# KiCad board hakea-epaper-onboard.kicad_pcb
title: Hakea Wireless keyboard; date: 2022-01-09; rev: 1.0; company: TKW
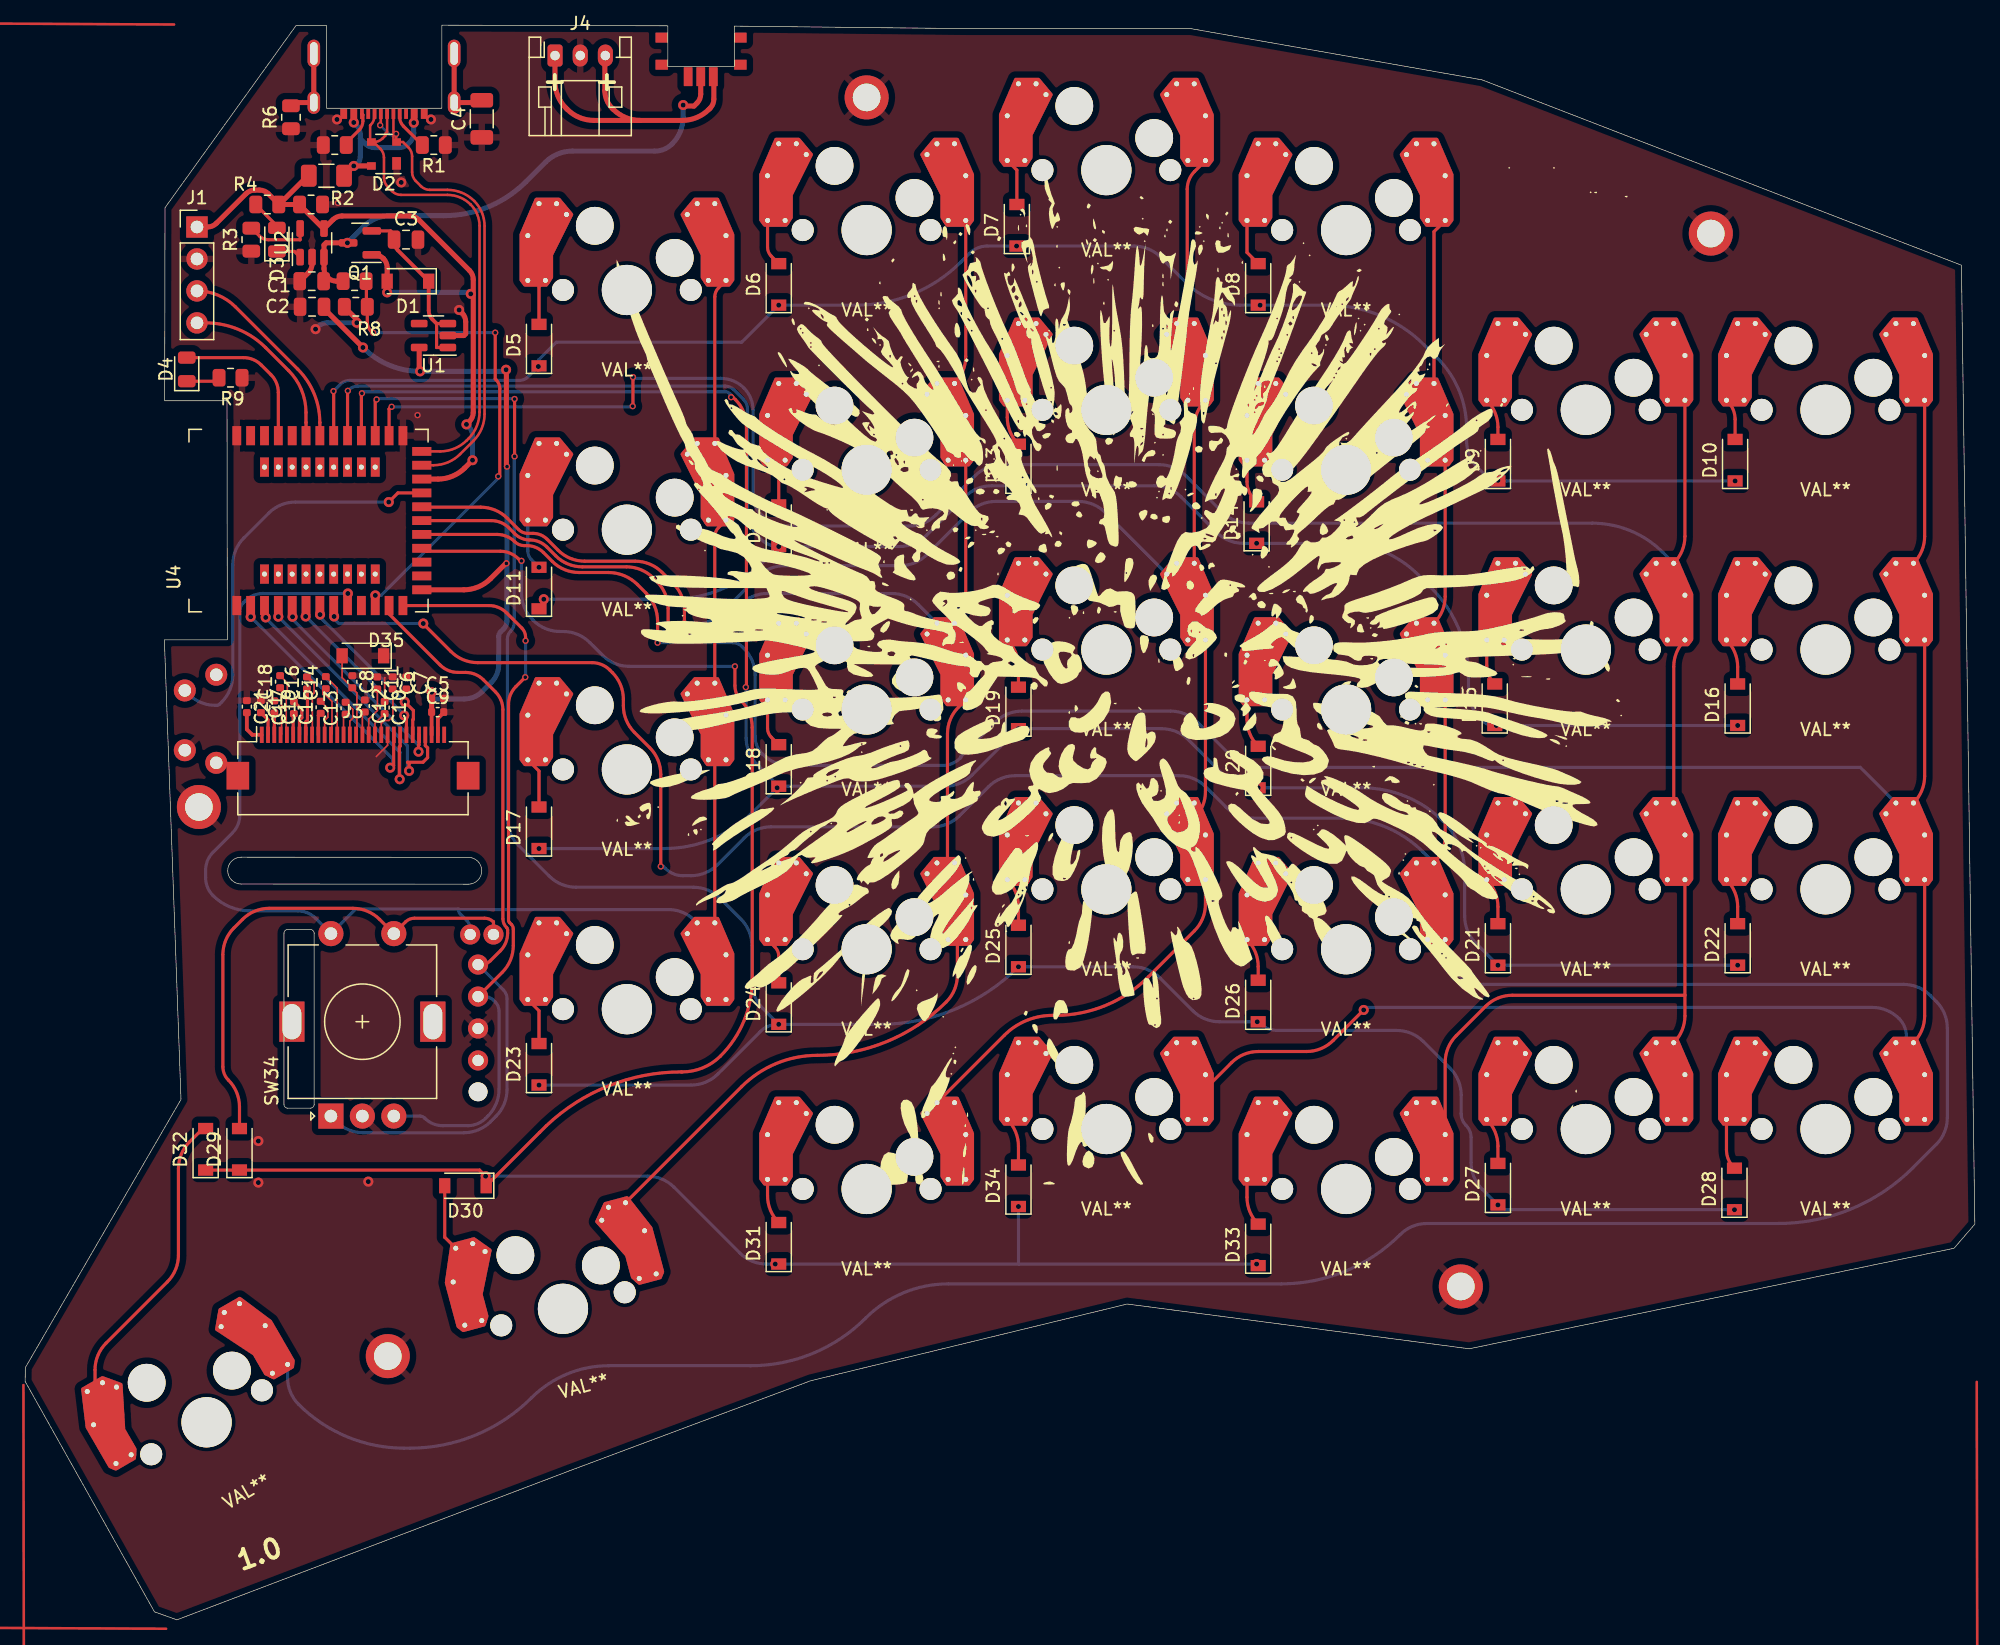
[diagram p0: board, top side]
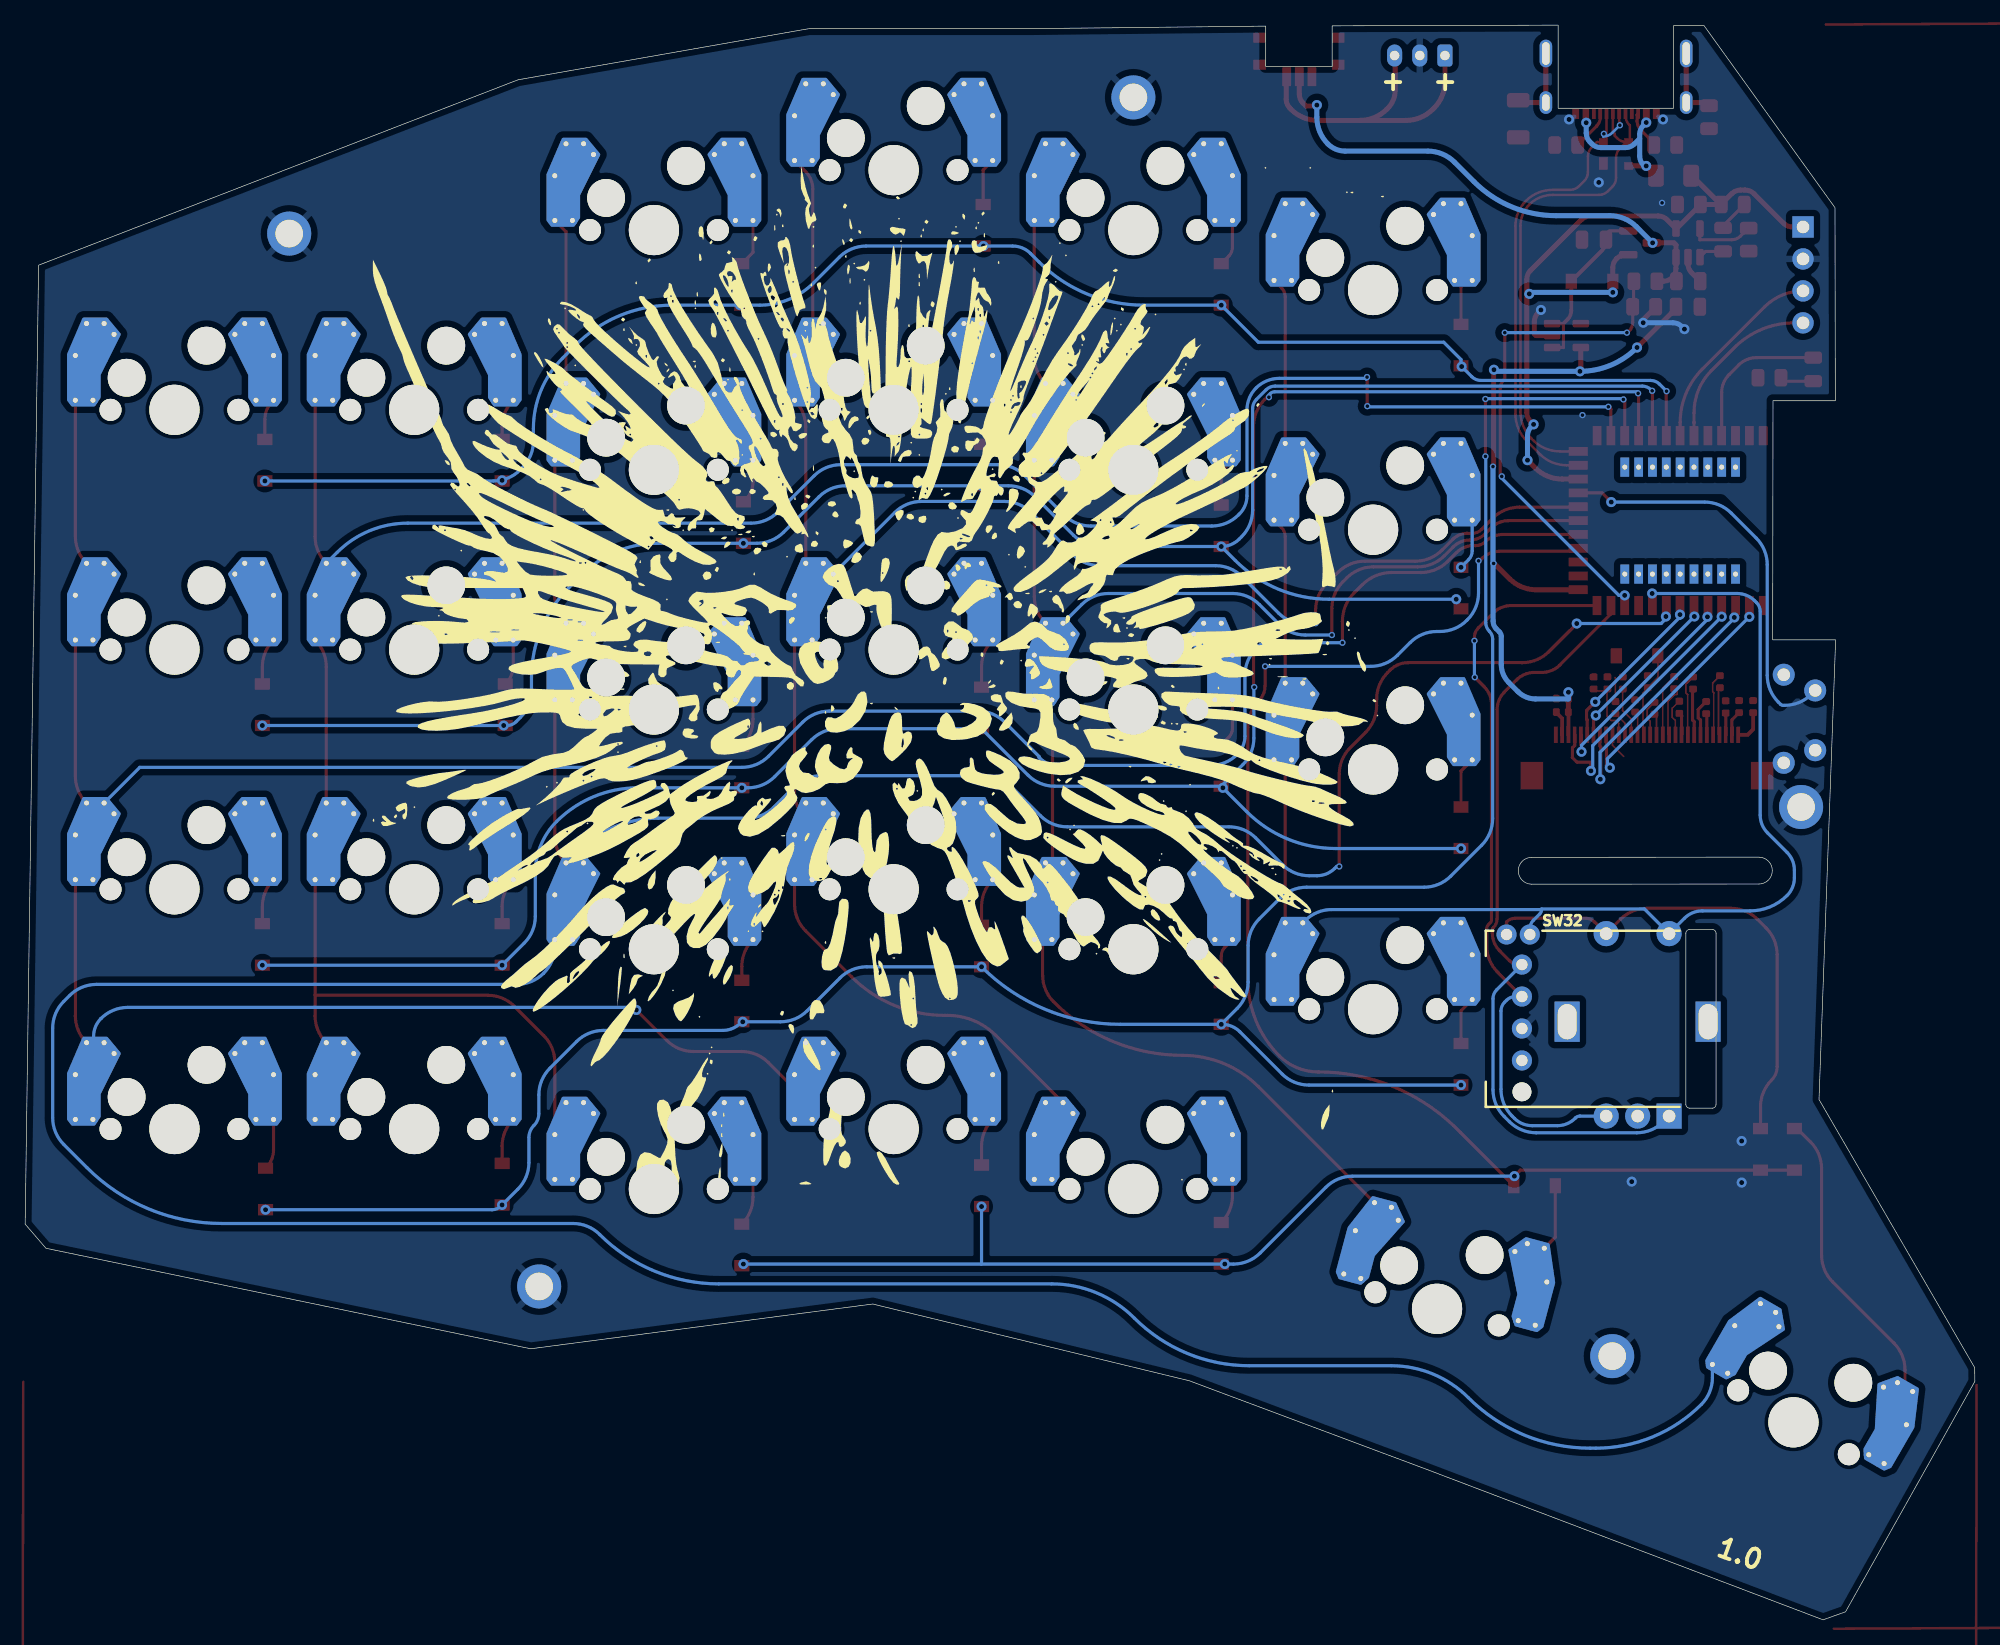
[diagram p1: board, bottom side, seen from below]

Outline 154.93 x 126.72 mm; copper layers: Top, Bottom. Coordinates in mm from the lower left corner of the outline.
Outline path: 56.35,123.44 56.35,126.64 75.12,126.44 92.65,126.44 115.76,122.38 153.86,107.65 154.93,31.45 153.28,29.53 114.74,21.54 87.57,25.1 62.42,19 43.37,11.89 12.05,0 10.27,0.63 0,18.94 0.01,20.04 12.38,41.35 11.06,77.88 16.06,77.88 16.04,96.88 11.09,96.88 11.11,112.22 21.53,126.7 23.94,126.7 23.94,120.12 33.11,120.12 33.11,126.72 51.07,126.67 51.07,123.44 closed ; 17.16,58.47 arc(16.09,59.54) 17.16,60.6 35.21,60.59 arc(36.28,59.52) 35.21,58.46 17.16,58.47
Stack: Top 0.035mm / dielectric 1.51mm FR4 er 4.5 / Bottom 0.035mm

## Placement (name value [footprint] x y rotation side)
C1  2.2uF  [C_0402_1005Metric]  18.73 72.57 270 top
C1#2  4.7uF  [C_0805_2012Metric]  22.77 106.38 180 top
C2  1uF  [C_0805_2012Metric]  22.8 104.34 180 top
C3  1uF  [C_0805_2012Metric]  30.26 109.68 0 top
C4  4.7n  [C_1206_3216Metric]  36.28 119.28 90 top
C5  .1uF  [C_0402_1005Metric]  32.78 73.2 0 top
C6  .1uF  [C_0402_1005Metric]  29.2 74.45 270 top
C7  1uF  [C_0402_1005Metric]  30.29 74.45 270 top
C8  1uF  [C_0402_1005Metric]  26 74.55 270 top
C9  4.7uF  [C_0402_1005Metric]  32.78 72.14 0 top
C10  1uF  [C_0402_1005Metric]  28.56 72.49 270 top
C11  1uF  [C_0402_1005Metric]  27.98 74.45 270 top
C12  1uF  [C_0402_1005Metric]  26.99 72.62 270 top
C13  1uF  [C_0402_1005Metric]  25.46 72.44 90 top
C14  1uF  [C_0402_1005Metric]  23.89 74.47 90 top
C15  1uF  [C_0402_1005Metric]  23.48 72.52 90 top
C16  1uF  [C_0402_1005Metric]  22.39 74.45 90 top
C17  1uF  [C_0402_1005Metric]  21.35 72.49 90 top
C18  2.2uF  [C_0402_1005Metric]  20.26 74.55 90 top
C19  1uF  [C_0402_1005Metric]  19.8 72.54 270 top
C21  1uF  [C_0402_1005Metric]  17.61 72.57 270 top
D1  1N5819  [D_SOD-123]  30.42 106.38 180 top
D2  SR05  [SOT-143]  28.51 116.48 180 top
D3  POWERLED  [D_0805_2012Metric]  20 109.68 90 top
D4  LED_Small  [D_0805_2012Metric]  12.84 99.36 90 top
D5  D_Small  [D_SOD-123]  40.83 101.3 90 top
D6  D_Small  [D_SOD-123]  59.88 106.12 90 top
D7  D_Small  [D_SOD-123]  78.8 110.82 90 top
D8  D_Small  [D_SOD-123]  97.98 106.12 90 top
D9  D_Small  [D_SOD-123]  117.03 92.15 90 top
D10  D_Small  [D_SOD-123]  135.88 92.15 90 top
D11  D_Small  [D_SOD-123]  40.83 81.99 90 top
D12  D_Small  [D_SOD-123]  59.88 86.94 90 top
D13  D_Small  [D_SOD-123]  78.93 91.77 90 top
D14  D_Small  [D_SOD-123]  97.85 87.2 90 top
D15  D_Small  [D_SOD-123]  116.78 72.72 90 top
D16  D_Small  [D_SOD-123]  136.08 72.72 90 top
D17  D_Small  [D_SOD-123]  40.83 62.94 90 top
D18  D_Small  [D_SOD-123]  59.88 67.89 90 top
D19  D_Small  [D_SOD-123]  78.93 72.47 90 top
D20  D_Small  [D_SOD-123]  97.98 67.77 90 top
D21  D_Small  [D_SOD-123]  117.03 53.67 90 top
D22  D_Small  [D_SOD-123]  136.08 53.67 90 top
D23  D_Small  [D_SOD-123]  40.83 44.15 90 top
D24  D_Small  [D_SOD-123]  59.88 48.97 90 top
D25  D_Small  [D_SOD-123]  78.93 53.54 90 top
D26  D_Small  [D_SOD-123]  97.98 49.17 90 top
D27  D_Small  [D_SOD-123]  117.03 34.62 90 top
D28  D_Small  [D_SOD-123]  135.83 34.24 90 top
D29  D_Small  [D_SOD-123]  17.03 37.39 90 top
D30  D_Small  [D_SOD-123]  34.99 34.49 180 top
D31  D_Small  [D_SOD-123]  59.88 29.92 90 top
D32  D_Small  [D_SOD-123]  14.34 37.39 90 top
D33  D_Small  [D_SOD-123]  97.98 29.8 90 top
D34  D_Small  [D_SOD-123]  78.93 34.49 90 top
D35  D  [D_SOD-123]  26.84 76.61 180 top
F1  500ma  [Fuse_1206_3216Metric]  23.94 114.76 0 top
G***  LOGO  [tkw-small]  24.73 28.75 0 top
G***#2  LOGO  [hakea]  87.11 75.02 0 top
G***#3  LOGO  [tkw-small]  24.73 28.88 180 bottom
G***#4  LOGO  [hakea]  87.19 75.02 180 bottom
H2  MountingHole  [MountingHole_2.2mm_M2_ISO7380_Pad]  13.8 64.59 0 top
H3  MountingHole  [MountingHole_2.2mm_M2_ISO7380_Pad]  28.82 20.95 0 top
H4  MountingHole  [MountingHole_2.2mm_M2_ISO7380_Pad]  114.08 26.49 0 top
H5  MountingHole  [MountingHole_2.2mm_M2_ISO7380_Pad]  133.95 110.16 0 top
H6  MountingHole  [MountingHole_2.2mm_M2_ISO7380_Pad]  66.87 120.98 0 top
J1  SWD PORT  [PinHeader_1x04_P2.54mm_Vertical]  13.65 110.68 0 top
J2  USB_C_Receptacle_USB2.0  [USB-C_C168688]  28.51 126.67 0 top
J3  Conn_01x30_Female  [Hirose_FH12-30S-0.5SH_1x30-1MP_P0.50mm_Horizontal]  26.05 68.48 0 top
J4  Conn_01x03  [JST_PH_S3B-PH-K_1x03_P2.00mm_Horizontal]  42.11 124.31 0 top
Q1  AO3401A  [SOT-23]  26.61 109.42 180 top
R1  5.1k  [R_0805_2012Metric]  32.47 117.2 180 top
R2  10k  [R_0805_2012Metric]  22.72 112.47 0 top
R3  10k  [R_0805_2012Metric]  17.97 109.68 90 top
R4  1k  [R_0805_2012Metric]  19.24 112.47 180 top
R5  5.1k  [R_0805_2012Metric]  24.6 117.2 0 top
R6  1M  [R_0805_2012Metric]  21.12 119.4 90 top
R7  806k  [R_0805_2012Metric]  26.18 106.38 180 top
R8  2M  [R_0805_2012Metric]  26.27 104.34 0 top
R9  1k  [R_0805_2012Metric]  16.32 98.7 0 top
SW1  SW_SPST  [TC-1101V]  13.94 71.6 270 top
SW2  SW_Push  [MX-1U-Hotswap-upside-down]  47.82 105.68 0 top
SW3  SW_Push  [MX-1U-Hotswap-upside-down]  66.87 110.44 0 top
SW4  SW_Push  [MX-1U-Hotswap-upside-down]  85.92 115.2 0 top
SW5  SW_Push  [MX-1U-Hotswap-upside-down]  104.97 110.44 0 top
SW6  SW_Push  [MX-1U-Hotswap-upside-down]  124.02 96.15 0 top
SW7  SW_Push  [MX-1U-Hotswap-upside-down]  143.07 96.15 0 top
SW8  SW_Push  [MX-1U-Hotswap-upside-down]  47.82 86.63 0 top
SW9  SW_Push  [MX-1U-Hotswap-upside-down]  66.87 91.39 0 top
SW10  SW_Push  [MX-1U-Hotswap-upside-down]  85.92 96.15 0 top
SW11  SW_Push  [MX-1U-Hotswap-upside-down]  104.97 91.39 0 top
SW12  SW_Push  [MX-1U-Hotswap-upside-down]  124.02 77.1 0 top
SW13  SW_Push  [MX-1U-Hotswap-upside-down]  143.07 77.1 0 top
SW14  SW_Push  [MX-1U-Hotswap-upside-down]  47.82 67.58 0 top
SW15  SW_Push  [MX-1U-Hotswap-upside-down]  66.87 72.34 0 top
SW16  SW_Push  [MX-1U-Hotswap-upside-down]  85.92 77.1 0 top
SW17  SW_Push  [MX-1U-Hotswap-upside-down]  104.97 72.34 0 top
SW18  SW_Push  [MX-1U-Hotswap-upside-down]  124.02 58.05 0 top
SW19  SW_Push  [MX-1U-Hotswap-upside-down]  143.07 58.05 0 top
SW20  SW_Push  [MX-1U-Hotswap-upside-down]  47.82 48.53 0 top
SW21  SW_Push  [MX-1U-Hotswap-upside-down]  66.87 53.29 0 top
SW22  SW_Push  [MX-1U-Hotswap-upside-down]  85.92 58.05 0 top
SW23  SW_Push  [MX-1U-Hotswap-upside-down]  104.97 53.29 0 top
SW24  SW_Push  [MX-1U-Hotswap-upside-down]  124.02 39 0 top
SW25  SW_Push  [MX-1U-Hotswap-upside-down]  143.07 39 0 top
SW26  SW_Push  [MX-1U-Hotswap-upside-down]  42.74 24.71 15 top
SW27  SW_Push  [MX-1U-Hotswap-upside-down]  66.87 34.24 0 top
SW28  SW_Push  [MX-1U-Hotswap-upside-down]  14.41 15.7 30 top
SW29  SW_Push  [MX-1U-Hotswap-upside-down]  104.97 34.24 0 top
SW30  SW_Push  [MX-1U-Hotswap-upside-down]  85.92 39 0 top
SW32  Rotary_Encoder_Switch  [RollerEncoder_Panasonic_EVQWGD001]  30.36 48.26 180 bottom
SW33  SW_SPDT  [midmount_slide]  55.03 122.13 180 top
SW34  Rotary_Encoder_Switch  [RotaryEncoder_Alps_EC11E-Switch_Vertical_H20mm]  24.3 40.03 90 top
U1  AP2112K-3.3  [SOT-23-5]  32.45 102.06 180 top
U2  TP4054  [SOT-23-5]  22.8 109.42 90 top
U4  -  [nRF52840_holyiot_18010]  22.52 87.35 90 top

## Library data of the parts
C1 C18 = -: LCSC: C23630
C5 C6 = -: LCSC: C1525
C7 C8 C10-C17 C19 C21 = -: LCSC: C52923
C9 = -: LCSC: C23733
D35 = -: LCSC: C8598
J2 = -: JLC Part: C168688; LCSC Part: C168688
J3 = -: LCSC: C262294
SW1 = -: Field4: RESET; Field5: *
SW33 = -: Field4: SK-3293S

## Footprints (pads in the part's own frame, mm; a bottom-side part is the same pattern mirrored in y, then rotated)
C_0402_1005Metric
  rrect 0.56x0.62 smd: 1(-0.48,0) 2(0.48,0)
C_0805_2012Metric
  rrect 1x1.45 smd: 1(-0.95,0) 2(0.95,0)
C_1206_3216Metric
  rrect 1.15x1.8 smd: 1(-1.475,0) 2(1.475,0)
D_0805_2012Metric
  rrect 0.975x1.4 smd: 1(-0.938,0) 2(0.938,0)
D_SOD-123
  rect 0.9x1.2 smd: 1(-1.65,0) 2(1.65,0)
Fuse_1206_3216Metric
  rrect 1.25x1.75 smd: 1(-1.4,0) 2(1.4,0)
Hirose_FH12-30S-0.5SH_1x30-1MP_P0.50mm_Horizontal
  rect 0.3x1.3 smd: 1(-7.25,1.85) 2(-6.75,1.85) 3(-6.25,1.85) 4(-5.75,1.85) 5(-5.25,1.85) 6(-4.75,1.85) 7(-4.25,1.85) 8(-3.75,1.85) 9(-3.25,1.85) 10(-2.75,1.85) 11(-2.25,1.85) 12(-1.75,1.85) 13(-1.25,1.85) 14(-0.75,1.85) 15(-0.25,1.85) 16(0.25,1.85) 17(0.75,1.85) 18(1.25,1.85) 19(1.75,1.85) 20(2.25,1.85) 21(2.75,1.85) 22(3.25,1.85) 23(3.75,1.85) 24(4.25,1.85) 25(4.75,1.85) 26(5.25,1.85) 27(5.75,1.85) 28(6.25,1.85) 29(6.75,1.85) 30(7.25,1.85)
  rect 1.8x2.2 smd: MP(-9.15,-1.4) MP(9.15,-1.4)
JST_PH_S3B-PH-K_1x03_P2.00mm_Horizontal
  rrect 1.2x1.75 hole 0.75: 1(0,0)
  oval 1.2x1.75 hole 0.75: 2(2,0) 3(4,0)
midmount_slide
  rrect 0.7x1.5 smd: 1(0.35,-0.5) 2(1.35,-0.5) 3(2.35,-0.5)
  rrect 1x0.8 smd: 4(-1.8,-1.45) 4(-1.8,-3.6) 4(4.45,-1.45) 4(4.45,-3.6)
MountingHole_2.2mm_M2_ISO7380_Pad
  round 3.5 hole 2.2: 1(0,0)
MX-1U-Hotswap-upside-down
  round 1.75 hole 1.75 unplated: (-5.08,0) (5.08,0)
  round 3 hole 3 unplated: (-2.55,5.1) (3.8,2.55)
  round 3.988 hole 3.988 unplated: (0,0)
  round 0.8 hole 0.4: 1(-7.874,4.318) 1(-7.874,0.762) 1(-6.985,6.858) 1(-6.477,0.762) 1(-5.588,6.858) 1(-4.8,6) 2(4.8,6) 2(5.588,6.858) 2(6.477,0.762) 2(6.985,6.858) 2(7.874,4.318) 2(7.874,0.762)
  custom 4.27x7.07 smd far side: 1(-7.285,2.54) 2(6.425,5.067)
  rect 2.35x2.5 smd far side: 1(-7.2,2.54)
  custom 4.27x7.07 smd: 1(-6.499,5.067) 2(7.212,2.54)
  rect 2.15x2.5 smd: 1(-6.399,5.067)
  rect 2.15x2.5 smd far side: 2(6.425,5.067)
  rect 2.35x2.5 smd: 2(7.212,2.54)
nRF52840_holyiot_18010
  rect 1.524x0.7 smd: 1(-6.75,5.7) 2(-6.75,4.6) 3(-6.75,3.5) 4(-6.75,2.4) 5(-6.75,1.3) 6(-6.75,0.2) 7(-6.75,-0.9) 8(-6.75,-2) 9(-6.75,-3.1) 10(-6.75,-4.2) 11(-6.75,-5.3) 12(-6.75,-6.4) 13(-6.75,-7.5) 25(6.75,-7.5) 26(6.75,-6.4) 27(6.75,-5.3) 28(6.75,-4.2) 29(6.75,-3.1) 30(6.75,-2) 31(6.75,-0.9) 32(6.75,0.2) 33(6.75,1.3) 34(6.75,2.4) 35(6.75,3.5) 36(6.75,4.6) 37(6.75,5.7)
  rect 0.7x1.524 smd: 14(-5.5,-9) 15(-4.4,-9) 16(-3.3,-9) 17(-2.2,-9) 18(-1.1,-9) 19(0,-9) 20(1.1,-9) 21(2.2,-9) 22(3.3,-9) 23(4.4,-9) 24(5.5,-9)
  rect 1.524x0.7 hole 0.4: 38(-4.25,3.5) 39(-4.25,2.4) 40(-4.25,1.3) 41(-4.25,0.2) 42(-4.25,-0.9) 43(-4.25,-2) 44(-4.25,-3.1) 45(-4.25,-4.2) 46(-4.25,-5.3) 47(4.25,3.5) 48(4.25,2.4) 49(4.25,1.3) 50(4.25,0.2) 51(4.25,-0.9) 52(4.25,-2) 53(4.25,-3.1) 54(4.25,-4.2) 55(4.25,-5.3)
PinHeader_1x04_P2.54mm_Vertical
  rect 1.7x1.7 hole 1: 1(0,0)
  oval 1.7x1.7 hole 1: 2(0,-2.54) 3(0,-5.08) 4(0,-7.62)
R_0805_2012Metric
  rrect 1.025x1.4 smd: 1(-0.912,0) 2(0.912,0)
RollerEncoder_Panasonic_EVQWGD001
  round 1.5 hole 1.5 unplated: (-5.625,-6.3)
  round 1.6 hole 0.9: A(-5.625,3.81) B(-5.625,1.27) C(-5.625,-1.27) D(-5.625,-3.81) S1(-6.85,6.2) S2(-5,6.2)
RotaryEncoder_Alps_EC11E-Switch_Vertical_H20mm
  rect 2x2 hole 1: A(0,0)
  round 2 hole 1: B(0,-5) C(0,-2.5) S1(14.5,-5) S2(14.5,0)
  rect 3.2x2 hole 2.8x1.5: MP(7.5,3.1) MP(7.5,-8.1)
SOT-23
  rrect 1.475x0.6 smd: 1(-0.938,0.95) 2(-0.938,-0.95) 3(0.938,0)
SOT-23-5
  rrect 1.325x0.6 smd: 1(-1.137,0.95) 2(-1.137,0) 3(-1.137,-0.95) 4(1.137,-0.95) 5(1.137,0.95)
SOT-143
  rect 0.7x1 smd: 1(-1,0.75)
  rect 0.7x0.6 smd: 2(-1,-0.95) 3(1,-0.95) 4(1,0.95)
TC-1101V
  round 1.75 hole 1: 1(-2.25,-1.25) 2(2.5,-1.25) 3(-3.5,1.25) 3(3.5,1.25)
USB-C_C168688
  rect 0.54x0.8 smd: A1(-3.2,-7) A1(3.2,-7) A4(-2.4,-7) A4(2.4,-7)
  rect 0.3x0.8 smd: A5(1.25,-7) A6(0.25,-7) A7(-0.25,-7) A8(-1.25,-7) B5(-1.75,-7) B6(-0.75,-7) B7(0.75,-7) B8(1.758,-7)
  oval 1x2.2 hole 0.6x1.8: S1(-5.575,-2.2) S2(5.575,-2.2)
  oval 1x1.8 hole 0.6x1.4: S3(-5.575,-6.1)
  oval 1x1.8 hole 0.6x1.3: S4(5.575,-6.1)
